# Altium PCB board.PcbDoc
Units mm, origin at the board's own origin, x right, y up, seen from the top; angles counter-clockwise.
Board outline 60 x 35 mm, 2 copper layers (Top Layer, Bottom Layer), stack 1.66 mm thick; 31 components, 17 nets, 90 pads, 42 vias.
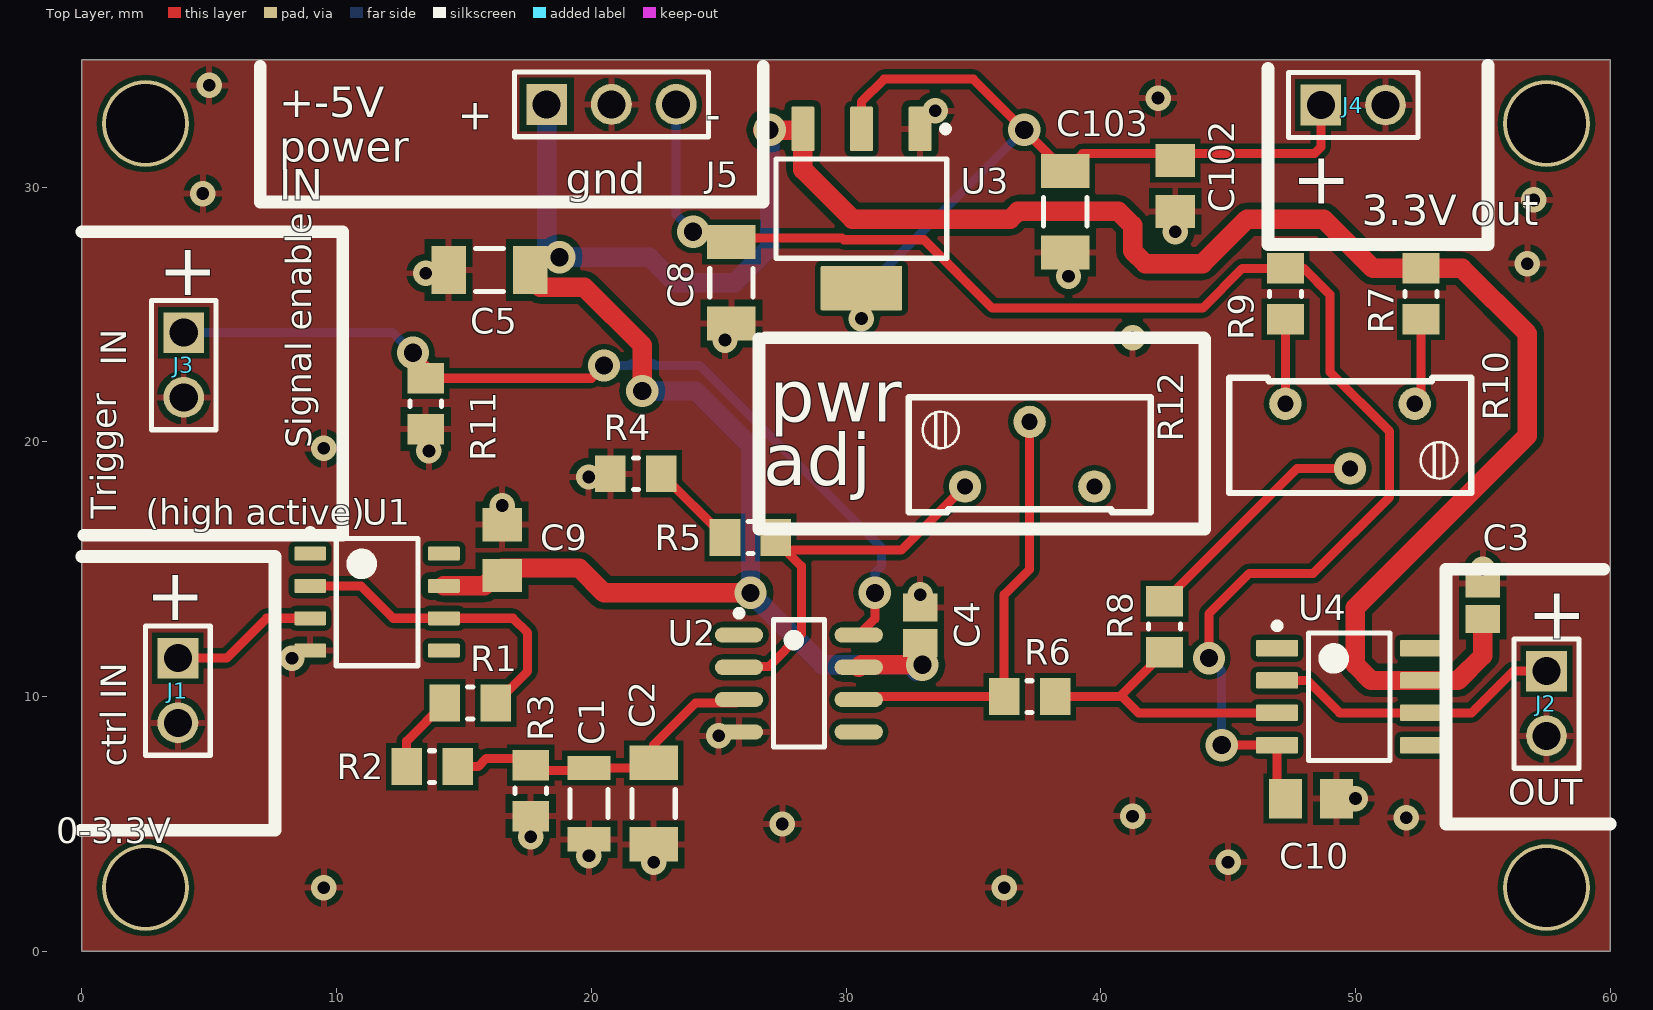
[diagram p0: Top Layer view]
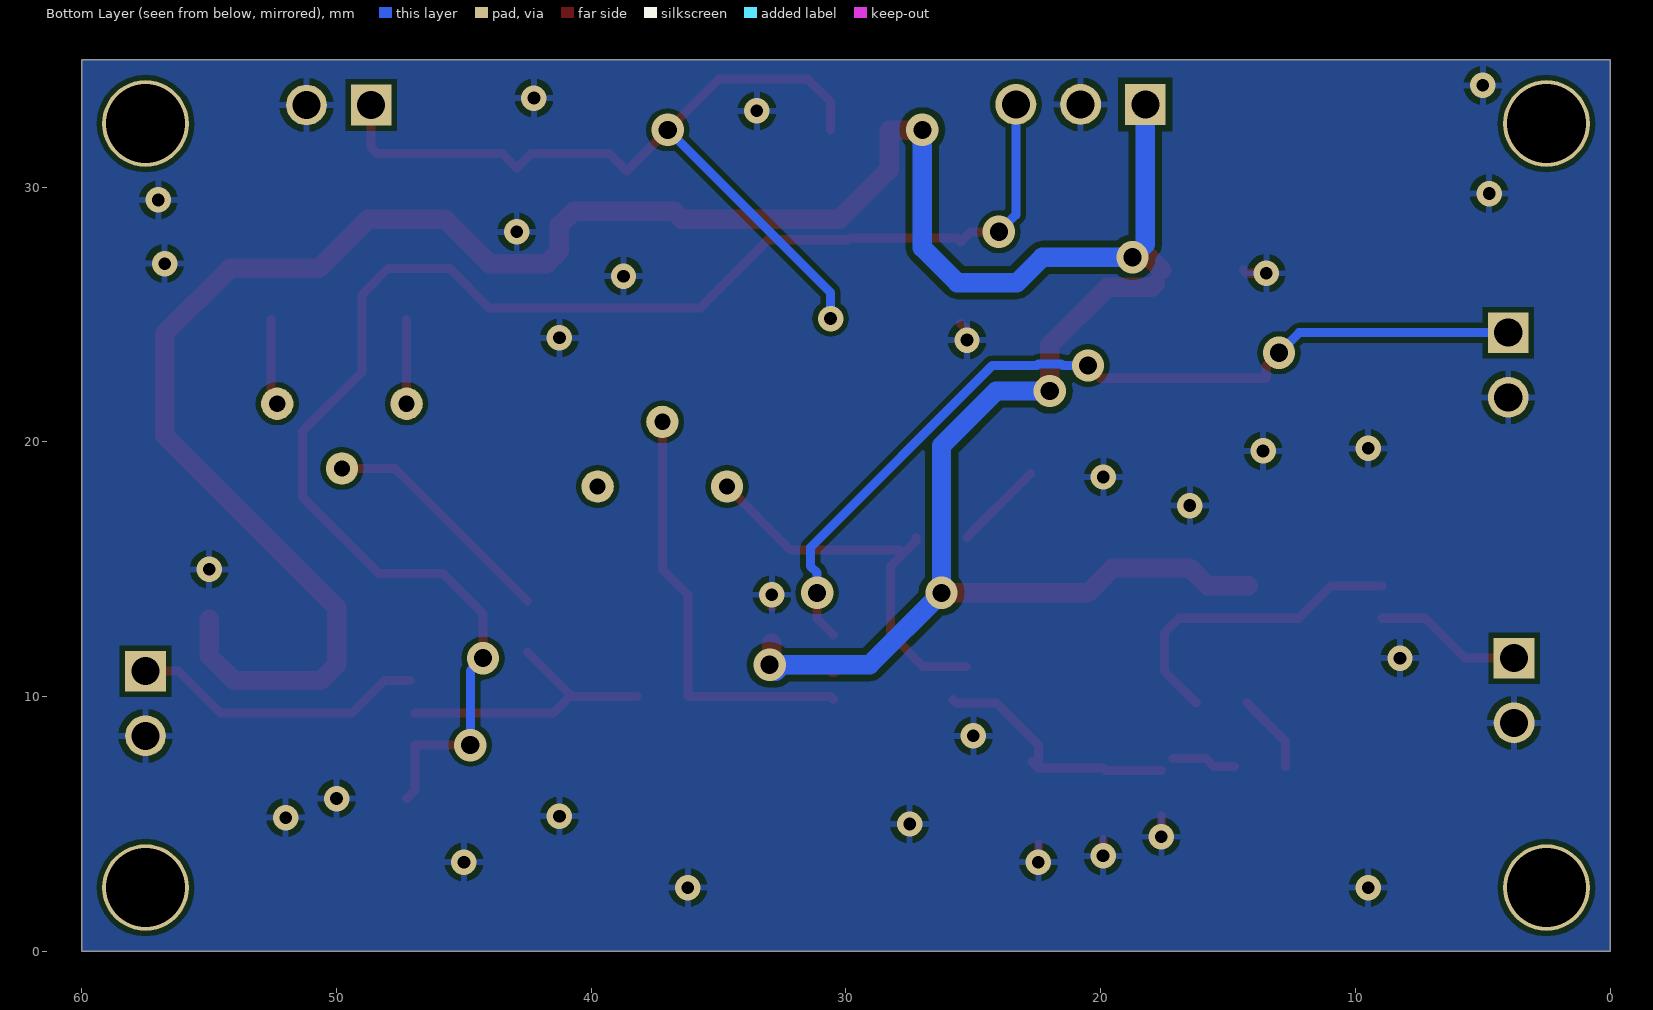
[diagram p1: Bottom Layer view, seen from below]
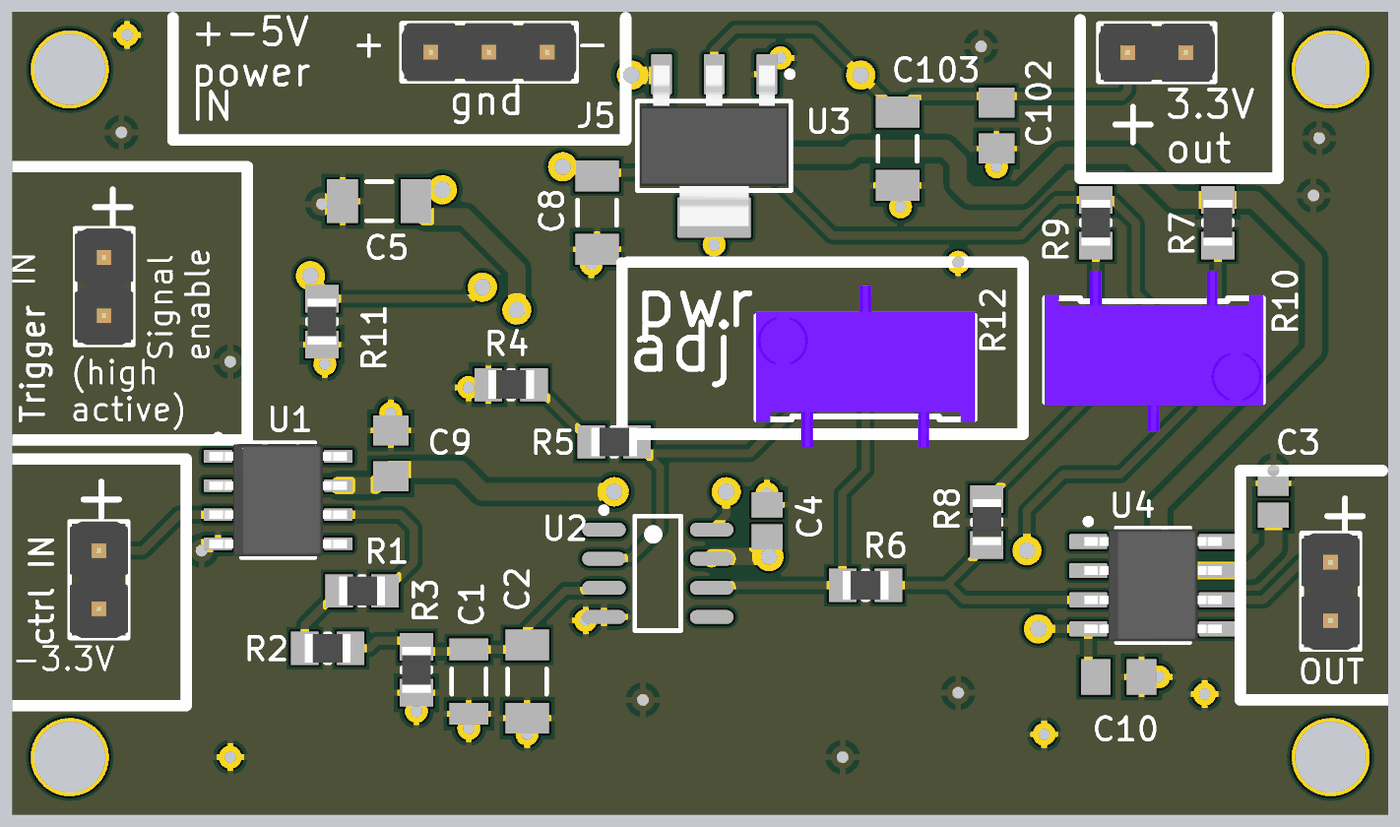
[diagram p2: 3D render of the assembled board from above, using the file's embedded part models]

## Layer stack, top to bottom
Top Solder: solder mask 0.0102, Solder Resist, Dk 3.5
Top Layer: signal copper 0.055
Dielectric1: dielectric 1.55, FR-4, Dk 4.8
Bottom Layer: signal copper 0.055
Bottom Solder: solder mask 0.0102, Solder Resist, Dk 3.5

## Board outline
0,0 60,0 60,35 0,35

## Design rules (kind name [scope] priority, off if disabled: settings)
Clearance ClearanceRoom [WithinRoom('less')  or WithinRoom('less1') or WithinRoom('less2') or WithinRoom('less3') or WithinRoom('less4')] p1: gap=0.203 ignorepadtopadclearanceinfootprint=FALSE except(0: Arc-Hole Track-Hole SMDPad-Hole THPad-Hole Via-Hole Fill-Hole Poly-Hole Region-Hole Text-Hole)
Clearance "clearance_24V class" [InNetClass('24V_net')] p2: gap=0.254 ignorepadtopadclearanceinfootprint=FALSE except(0: Arc-Hole Track-Hole SMDPad-Hole THPad-Hole Via-Hole Fill-Hole Poly-Hole Region-Hole Text-Hole)
Clearance Clearance_1 [All] p3: gap=0.203 ignorepadtopadclearanceinfootprint=FALSE except(0: Arc-Hole Track-Hole SMDPad-Hole THPad-Hole Via-Hole Fill-Hole Poly-Hole Region-Hole Text-Hole)
FabricationTestPointUsage TestPointUsage [All] p1: valid=0 allowmultiple=FALSE
FabricationTestpoint Testpoint [All] p1: side=3 testpointundercomponent=TRUE minsize=1.016 maxsize=2.54 preferedsize=1.524 minholesize=0 maxholesize=1.016 preferedholesize=0.813 testpointgrid=0.025 allowsidetop=TRUE allowsidebottom=TRUE usegrid=TRUE gridtolerance=0
HoleSize [All] p1: absolutevalues=TRUE maxlimit=6 minlimit=0.025 maxpercent=80.000 minpercent=20.000
PolygonConnect PolygonConnect_Power [(InNet('+5V') OR InNet('-24VBUS'))] p1: connectstyle=Relief reliefconductorwidth=2.54 reliefentries=4 polygonreliefangle="90 Angle" airgapwidth=0.254
PolygonConnect [All] p2: connectstyle=Relief reliefconductorwidth=0.254 reliefentries=4 polygonreliefangle="90 Angle" airgapwidth=0.254
RoutingVias [All] p1: holewidth=0.711 width=1.27 viastyle="Through Hole" minholewidth=0.711 minwidth=1.27 maxholewidth=0.711 maxwidth=1.27
SilkToSolderMaskClearance SilkscreenOverComponentPads [IsPad] p1: minsilkscreentomaskgap=0.254 clearancetoexposedcopper=TRUE
SolderMaskExpansion [All] p1: expansion=0.102
Width WidthRoom [WithinRoom('less')  or WithinRoom('less1') or WithinRoom('less2') or WithinRoom('less3') or WithinRoom('less4')] p1: maxlimit=0.356 minlimit=0.356 preferedwidth=0.356
Width "Width_24V class" [InNetClass('24V_net')] p2: maxlimit=0.762 minlimit=0.762 preferedwidth=0.762
Width Width_1 [All] p3: maxlimit=0.356 minlimit=0.356 preferedwidth=0.356
26 further rules are at their usual default settings.

## Classes and differential pairs
net class 24V_net: +5V

## Components (designator, comment, footprint, x,y, rotation, side; value= is the part's Value field where it differs from the comment)
C1 "100uF" CAPC1206(3216)190_L 19.908,5.799 r90 top
C2 "47uF" CAPC1206(3216)190_M 22.448,5.799 r90 top
C3 "0805 / 100n" CAPC2013X88X50LL20T25 55,13.75 r270 top
C4 "0805 / 100n" CAPC2013X88X50LL20T25 32.912,12.805 r270 top
C5 "47uF 6.3V 1206" CAPC1206(3216)190_M 16,26.75 r0 top value=47uF
C8 "47uF 6.3V 1206" CAPC1206(3216)190_M 25.5,26.25 r270 top value=47uF
C9 "100n" CAPC2013X88X50ML20T25 16.5,15.75 r270 top
C10 "100n" CAPC2013X88X50ML20T25 48.25,6 r0 top
C102 "100n" CAPC2013X88X50ML20T25 42.926,30.052 r90 top
C103 "47uF" CAPC1206(3216)190_M 38.608,29.036 r90 top
J1 "ctrl IN" 61300211121 3.77,11.51 r270 top
J2 "OUT" 61300211121 57.5,11 r270 top
J3 "Trigger" 61300211121 4,24.29 r270 top
J4 "potentiometer connect" 61300211121 48.641,33.227 r0 top
J5 "61300311121" 61300311121 18.25,33.25 r0 top
R1 "0" YAGO-RC0805_M 15.25,9.75 r180 top
R2 "9k" YAGO-RC0805_M 13.75,7.25 r0 top
R3 "1k" YAGO-RC0805_M 17.622,6.307 r90 top
R4 "1k" YAGO-RC0805_M 21.75,18.75 r180 top
R5 "1k" YAGO-RC0805_M 26.25,16.25 r180 top
R6 "1k" YAGO-RC0805_M 37.21,10 r180 top
R7 "1k" YAGO-RC0805_M 52.575,25.811 r90 top
R8 "0805 / 100k" YAGO-RC0805_M 42.5,12.75 r90 top
R9 "1k" YAGO-RC0805_M 47.25,25.811 r270 top
R10 "1kOhm" "Typ 3296Y" 47.25,21.5 r0 top
R11 "1k" YAGO-RC0805_M 13.5,21.5 r270 top
R12 "1kOhm" "Typ 3296Y" 39.75,18.25 r180 top
U1 "OPA350UA" D0008A_L 11.589,13.712 r0 top
U2 "AD8029ARZ" ADI-R-8_L 28.15,10.519 r0 top
U3 "LM1117IMP-3.3/NOPB" DCY0004A_N 30.607,29.163 r270 top
U4 "OPA227U" D0008A_M 49.75,10 r0 top

## Footprints (in the part's own frame and the unit in brackets; to place one, negate y for a bottom-side part, rotate by r counter-clockwise, add the part's x,y. Pads: shape width x height; smd on the part's side, far side on the other; paste and mask are expansions set on the pad)
61300211121 [mm] "2Pol; gerade; WR-PHD 2.54 mm THT Pin Header"
  rect 1.6x1.6 hole 1.1: 1(0,0)
  round 1.6 hole 1.1: 2(2.54,0)
  silkscreen extent -1.27,-1.27 3.81,1.27, body extent -1.27,-1.27 3.81,1.27, height 8.57
61300311121 [mm] "3Pol; gerade; WR-PHD 2.54 mm THT Pin Header"
  rect 1.6x1.6 hole 1.1: 1(0,0)
  round 1.6 hole 1.1: 2(2.54,0) 3(5.08,0)
  silkscreen extent -1.27,-1.27 6.35,1.27, body extent -1.27,-1.27 6.35,1.27, height 8.57
ADI-R-8_L [mm] "SOIC, 8-Leads, Body 4.9x3.9mm, Pitch 1.27mm, IPC High Density"
  oval 1.9x0.6 smd: 1(-2.35,1.905) 2(-2.35,0.635) 3(-2.35,-0.635) 4(-2.35,-1.905) 5(2.35,-1.905) 6(2.35,-0.635) 7(2.35,0.635) 8(2.35,1.905)
  silkscreen extent -2.47,-2.5 1,2.88, body extent -2,-2.5 2,2.5, height 1.75
CAPC1206(3216)190_L [mm] "Chip Capacitor, Body 3.2x1.6mm, Height 1.9mm, IPC High Density"
  rect 0.95x1.7 smd: 1(-1.4,0) 2(1.4,0)
  silkscreen extent -0.55,-0.75 0.55,0.75, body extent -1.7,-0.9 1.7,0.9, height 1.9
CAPC1206(3216)190_M [mm] "Chip Capacitor, Body 3.2x1.6mm, Height 1.9mm, IPC Low Density"
  rect 1.35x1.9 smd: 1(-1.6,0) 2(1.6,0)
  silkscreen extent -0.55,-0.85 0.55,0.85, body extent -1.7,-0.9 1.7,0.9, height 1.9
CAPC2013X88X50LL20T25 [mm] "Chip Capacitor, 2-Leads, Body 2.00x1.25mm, IPC High Density"
  rect 1.1x1.35 smd: 1(-0.7,0) 2(0.7,0)
  body extent -1.1,-0.72 1.1,0.72, height 0.88
CAPC2013X88X50ML20T25 [mm] "Chip Capacitor, 2-Leads, Body 2.00x1.25mm, IPC Low Density"
  rect 1.3x1.55 smd: 1(-1,0) 2(1,0)
  body extent -1.1,-0.72 1.1,0.72, height 0.88
D0008A_L [mm] "SOIC, 8-Leads, Body 5x4mm, Pitch 1.27mm, IPC High Density"
  rrect18% 1.25x0.55 smd: 1(-2.625,1.905) 2(-2.625,0.635) 3(-2.625,-0.635) 4(-2.625,-1.905) 5(2.625,-1.905) 6(2.625,-0.635) 7(2.625,0.635) 8(2.625,1.905)
  silkscreen extent -2.75,-2.5 1.6,2.85, body extent -3,-2.45 3,2.45, height 1.63
D0008A_M [mm] "SOIC, 8-Leads, Body 5x4mm, Pitch 1.27mm, IPC Low Density"
  rrect15% 1.65x0.65 smd: 1(-2.825,1.905) 2(-2.825,0.635) 3(-2.825,-0.635) 4(-2.825,-1.905) 5(2.825,-1.905) 6(2.825,-0.635) 7(2.825,0.635) 8(2.825,1.905)
  silkscreen extent -2.95,-2.5 1.6,2.9, body extent -3,-2.45 3,2.45, height 1.63
DCY0004A_N [mm] "SOT223, 4-Leads, Body 6.7x3.7mm, Pitch 2.3mm, IPC Medium Density"
  rrect11% 1.75x0.9 smd: 1(-3.125,2.3) 2(-3.125,0) 3(-3.125,-2.3)
  rrect6% 1.75x3.2 smd: 4(3.125,0)
  silkscreen extent -3.25,-3.35 1.95,3.43, body extent -3.5,-3.25 3.5,3.25, height 1.62
"Typ 3296Y" [mm] "Trimmer_stehend_rechteckig_Verstellung-von-Seite"
  round 1.27 hole 0.635: 1(0,0) 2(2.54,-2.54) 3(5.08,0)
  silkscreen extent -2.21,-3.51 7.29,1.02, body extent -2.24,-4.82 7.32,2.22, height 11.55
YAGO-RC0805_M [mm] "Chip Resistor, 2-Leads, Body 2.00x1.25mm, IPC Low Density"
  rect 1.2x1.45 smd: 1(-1,0) 2(1,0)
  silkscreen extent -0.1,-0.63 0.1,0.63, body extent -1,-0.62 1,0.63, height 0.6

## Part data
C1: library part CMP-00469-1, "CAP 100uF 6.3V ±20% 1206 (3216 Metric) Thickness 1.9mm SMD", Case-EIA=1206, Case-Metric=3216, Rated Voltage="6.3 V", Tolerance=±20%, Max Thickness="1.9 mm", Technology=SMT
C2 C5 C8 C103: library part CMP-00470-A.1, "CAP 47uF 6.3V ±20% 1206 (3216 Metric) Thickness 1.9mm SMD", Case-EIA=1206, Case-Metric=3216, Rated Voltage="6.3 V", Tolerance=±20%, Max Thickness="1.9 mm", Technology=SMT
C3 C4: library part CMP-001-0082-1, "generic_0805_example here 100nF: C0805C104K5RAC 7800 / SMD-Keramik-Vielschichtkondensator 100 nF, 50 VDC, 0805, ±10 %, X7R", Capacitance="0.1 uF", Capacitance - nF="100 nF", Capacitance - pF="100000 pF", Case Code - in=0805, Case Code - mm=2012, Dielectric=X7R, Manufacturer=KEMET, Manufacturer Part Number=C0805C104K5RAC7800, Maximum Operating Temperature="+ 125 C", Minimum Operating Temperature="- 55 C", Package/Case="0805 (2012 metric)", Supplier Part Number=80-C0805C104K5R7800, Tolerance="10 %", Voltage Rating AC=-, Voltage Rating DC="50 VDC", Brand=KEMET, Class="Class 1", ComponentLink1Description=KEM_C1002_X7R_SMD-1102033.pdf, ComponentLink1URL=http://www.mouser.com/ds/2/212/KEM_C1002_X7R_SMD-1102033.pdf, Height=-, Length="2 mm", Minimum Order Quantity=4000, Packaging=Reel, Product="General Type MLCCs", Reeling=True, RoHS - Mouser=Y, Series=C-C, Standard Pack Qty=4000, Supplier=Mouser, Termination=-, Termination Style=SMD/SMT, Width="1.2 mm"
C9 C10 C102: library part CMP-001-0082-2, "generic 0805 COG oder X7R Vielschichtkondensatoren max. +/-10%"
J1 J2 J3 J4: library part CMP-001-0071-1, "2Pol; gerade; WR-PHD 2.54 mm THT Pin Header", Current Rating="3 A", Flammability Rating="UL 94 V-0", Insulation Resistance="1 GOhms", Manufacturer="Wurth Electronics", Manufacturer Part Number=61300211121, Supplier Part Number=710-61300211121, Voltage Rating="250 V", Accessory Type=-, Application="Wire to Board", Brand="Wurth Electronics", ComponentLink1Description=6130xx11121-538006.pdf, ComponentLink1URL=http://www.mouser.com/ds/2/445/6130xx11121-538006.pdf, Contact Gender="Pin (Male)", Contact Material="Copper Alloy", Contact Plating=Gold, Contact Type=-, Housing Gender=-, Housing Material="Polybutylene Terephthalate (PBT)", Latching Type=Unlatched, Mating Post Length="6 mm", Minimum Order Quantity=1, Mounting Angle=Straight, Mounting Style="Straight Pin", Number of Positions="2 Position", Number of Rows="1 Row", Packaging=Bulk, PartNumber=61300211121, Pitch="2.54 mm", Product=Headers, Reeling=False, RoHS - Mouser=Y, Row Spacing=-, Series=WR-PHD, Standard Pack Qty=1000, Supplier=Mouser, Termination Post Length="3 mm", Termination Style="Through Hole", Type="Pin Strip"
J5: library part CMP-001-0072-1, "3Pol; gerade; WR-PHD 2.54 mm THT Pin Header", Current Rating="3 A", Flammability Rating="UL 94 V-0", Insulation Resistance="1 GOhms", Manufacturer="Wurth Electronics", Supplier Part Number=710-61300311121, Voltage Rating="250 V", Brand="Wurth Electronics", ComponentLink1Description=6130xx11121-538006.pdf, ComponentLink1URL=http://www.mouser.com/ds/2/445/6130xx11121-538006.pdf, Contact Gender="Pin (Male)", Contact Material="Copper Alloy", Contact Plating=Gold, Contact Type=-, Housing Gender=-, Housing Material="Polyamide (PA)", Manufacturer Part Number=61300311121, Mating Post Length="6 mm", Minimum Order Quantity=1, Mounting Angle=Straight, Mounting Style="Straight Pin", Number of Positions="3 Position", Number of Rows="1 Row", Packaging=Bulk, PartNumber=61300311121, Pitch="2.54 mm", Product=Headers, Reeling=False, RoHS - Mouser=Y, Row Spacing=-, Series=WR-PHD, Standard Pack Qty=1000, Supplier=Mouser, Termination Post Length="3 mm", Termination Style="Through Hole", Type="Pin Strip"
R1 R2 R3 R4 R5 R6 R7 R8 R9 R11: library part CMP-001-0027-2, "0805 Yageo Standard BlackBox Resistors", Manufacturer=Yageo, Operating Temperature="-55°C ~ 155°C", Package / Case="0805 (2012 Metric)", Power (Watts)="0.125W, 1/8W", Supplier Device Package=0805, Temperature Coefficient=±200ppm/°C, Tolerance=±1%, ComponentLink1Description=PYu-RC_Group_51_RoHS_L_7.pdf, ComponentLink1URL=http://www.yageo.com/documents/recent/PYu-RC_Group_51_RoHS_L_7.pdf, Composition="Thick Film", Failure Rate=-, Features="Moisture Resistant", Height - Seated (Max)="0.024\" (0.60mm)", Packaging=Digi-Reel®, Part Status=Active, Size / Dimension="0.079\" L x 0.049\" W (2.00mm x 1.25mm)"
R10 R12: library part CMP-001-0079-1, "Trimmer_stehend_rechteckig_Verstellung-von-Seite", Manufacturer=Bourns, Manufacturer Part Number=3296Y-1-102LF, Operating Temperature Range="- 55 C to + 150 C", Power Rating="500 mW (1/2 W)", Resistance="1 kOhms", Supplier Part Number=652-3296Y-1-102LF, Temperature Coefficient="100 PPM / C", Tolerance="10 %", Adjustment="Top Crossed", Brand=Bourns, ComponentLink1Description=296-776415.pdf, ComponentLink1URL=http://www.mouser.com/ds/2/54/296-776415.pdf, Element Type=Cermet, Length="9.53 mm", Minimum Order Quantity=1, Mounting="Panel Mount", Number of Turns=25, Packaging=Tube, PartNumber=3296Y-1-102LF, Product=Multiturn, Product Type="Square Trimming Potentiometer", Reeling=False, RoHS - Mouser=E, Series=3296, Standard Pack Qty=100, Supplier=Mouser, Taper=Linear, Termination Style=Pin, Tradename=Trimpot, Type=Trimmers, Width="9.53 mm"
U1: library part CMP-00488-1, "High-Speed, Single-Supply, Rail-to-Rail Operational Amplifier MicroAmplifier(TM) Series, 2.7 to 5.5 V, -40 to 85 degC, 8-pin SOIC (D8), Green (RoHS & no Sb/Br)", Manufacturer="Texas Instruments", Total Supply Voltage(Max)(+5V is 5, +/-5V is 10)=5.5, Total Supply Voltage(Min)(+5V is 5, +/-5V is 10)=2.7, CMRR(Min)(dB)=66, Code_JEDEC=MS-012, ComponentLink1Description="Manufacturer URL", ComponentLink1URL=http://www.ti.com/, ComponentLink2Description=Datasheet, ComponentLink2URL=http://www.ti.com/general/docs/lit/getliterature.tsp?genericPartNumber=OPA350&fileType=pdf, ComponentLink3Description="Package Specification", ComponentLink3URL=http://www.ti.com/litv/pdf/msoi002j, DatasheetVersion=SBOS099C, Eco-Plan="Green (RoHS & no Sb/Br)", IIB(Max)(pA)=10, Iq per channel(Max)(mA)=8.5, Mounting Technology="Surface Mount", Number of Channels=1, Offset Drift(Typ)(uV/C)=4, PackageDescription="8-Pin Plastic Small Outline, Body 4.9 x 3.9 mm, Pitch 1.27 mm", PackageReference=D0008A, PackageVersion="4040047-3/M, 06/2011", PartNumber=OPA350UA, Slew Rate(Typ)(V/us)=22, Sub Family="Low Input Bias Current Amp (<=10pA), Low Offset Voltage Amplifier (<=500uV), Low Supply Voltage Amplifier (<=2.7V), Precision Amplifier", Vio (25C)(Max)(mV)=1, Vn at 1kHz(Typ)(nV/rtHz)=18
U2: library part CMP-00480-1, "Single Channel RRIO Operational Amplifier, 125 MHz BW, 62 V/us SR, Industrial, 8-pin SOIC (R-8), Tube", Amplifiers Per Package=1, Generic Part Number=AD8029, Input Bias Current=700nA, Input Offset Voltage=1.6mV, Manufacturer="Analog Devices", Code_JEDEC=MS-012-AA, ComponentLink1Description="Manufacturer URL", ComponentLink1URL=http://www.analog.com/en/index.html, ComponentLink2Description=Datasheet, ComponentLink2URL=http://www.analog.com/static/imported-files/data_sheets/AD8029_8030_8040.pdf, ComponentLink3Description="Package Specification", ComponentLink3URL=http://www.analog.com/static/imported-files/packages/PKG_PDF/SOIC_Narrow%20(R)/R_8.pdf, DatasheetVersion="Rev. B", Iq/Amp=1.5mA, Mounting Technology="Surface Mount", PackageDescription="8-Pin Standard Small Outline Package, Body 3.9 x 4.9 mm, Pitch 1.27 mm", PackageReference=R-8, PackageVersion=060506-A, PartNumber=AD8029ARZ, Slew Rate=62V/us, Small Signal Bandwidth=125MHz, V Span Max=12V, V Span Min=2.7V
U3: library part CMP-00484-1, "800mA Low-Dropout Linear Regulator, 4-pin SOT-223, Pb-Free", Manufacturer="Texas Instruments", PackageTopMarking=XYTT*N05B, PowerWise=N, Code_IPC=SOT223-4, Code_JEDEC=TO-261-AA, ComponentLink1Description="Datasheet URL", ComponentLink1URL=http://www.ti.com/general/docs/lit/getliterature.tsp?genericPartNumber=LM1117-N&fileType=pdf, CompType="LDO IC", High-Reliability=Y, PackageDescription="Molded SOT-223, 6.50 x 3.56 x 1.6mm Body, 4 Lead, 2.3mm Pitch", PackageReference=DCY0004A, PartNumber=LM1117IMP-3.3/NOPB, PinCount=4, RoHS=Y
U4: library part CMP-00481-1, "High Precision, Low Noise Operational Amplifier, 5 to 36 V, -55 to 125 degC, 8-pin SOIC (D8), Green (RoHS & no Sb/Br)", Manufacturer="Texas Instruments", Rating=Catalog, Total Supply Voltage(Max)(+5V is 5, +/-5V is 10)=36, Total Supply Voltage(Min)(+5V is 5, +/-5V is 10)=5, CMRR(Min)(dB)=120, Code_JEDEC=MS-012, ComponentLink1Description="Manufacturer URL", ComponentLink1URL=http://www.ti.com/, ComponentLink2Description=Datasheet, ComponentLink2URL=http://www.ti.com/lit/ds/symlink/opa227.pdf, ComponentLink3Description="Package Specification", ComponentLink3URL=http://www.ti.com/litv/pdf/msoi002j, DatasheetVersion=SBOS110A, Eco-Plan="Green (RoHS & no Sb/Br)", GBW(Typ)(MHz)=8, IIB(Max)(pA)=10000, Iq per channel(Max)(mA)=3.8, Mounting Technology="Surface Mount", Number of Channels=1, Offset Drift(Typ)(uV/C)=0.1, PackageDescription="8-Pin Plastic Small Outline, Body 4.9 x 3.9 mm, Pitch 1.27 mm", PackageReference=D0008A, PackageVersion="4040047-3/M, 06/2011", Packing=TUBE, PartNumber=OPA227U, Slew Rate(Typ)(V/us)=2.3, Sub Family="High Supply Voltage Amplifier (>=30V), Low Noise Amp (<=10nV/rtHz), Low Offset Voltage Amplifier (<=500uV), Precision Amplifier", Vio (25C)(Max)(mV)=0.075

## Free pads (board coordinates)
  round 4.5 hole 4.5: 1(-100.05,57.6)
  round 3.4 hole 3.1: 1(2.5,2.5) 1(2.5,32.5) 1(57.5,2.5) 1(57.5,32.5)

## Via types
v1: diameter 1, hole 0.5, Top Layer to Bottom Layer, 30 vias
v2: diameter 1.27, hole 0.711, Top Layer to Bottom Layer, 12 vias

## Nets (pads, with @x,y where several pads share a name; then routed paths per layer and width w, separated by ;. In a path a pad name is that pad's centre, name@x,y a point inside that pad or via, vN(x,y) a via of type N, cw(c..) or ccw(c..) an arc to the next point about the centre after c; other vN are vias at no path point)
+5V: C3.2 C4.2 C5.2 C9.2 J5.1 R7.2 U1.7 U2.7 U3.3 U4.7 | length 123.3
  Top Layer w0.762: U1.7 15.797,14.347 16.5,15.05 19.525,15.05 20.5,14.075 v2(26.25,14.075) ; C5.2 18.1,27.25 v2(18.75,27.25) ; C5.2@17.85,26.215 18,26.065 19.735,26.065 22,23.8 v2(22,22) ; v2(27,32.25) 26.75,32.25 26.738,32.238 28.307,32.238 28.307,30.693 30.25,28.75 36.448,28.75 36.75,29.052 40.698,29.052 41.25,28.5 41.25,27.5 41.75,27 44,27 45.75,28.75 48.75,28.75 50.689,26.811 R7.2 54.189,26.811 56.75,24.25 56.75,20.25 50,13.5 50,11.25 50.615,10.635 U4.7 54.028,10.635 55,11.607 C3.2 ; U2.7 30.596,11.25 v2(33,11.25) 32.912,11.338 C4.2
  Bottom Layer w0.762: J5.1 18.25,27.75 v2(18.75,27.25) 22.288,27.25 23.288,26.25 25.627,26.25 27,27.623 v2(27,32.25) ; v2(22,22) 24.101,22 26.25,19.851 v2(26.25,14.075) 29.075,11.25 32.5,11.25 32.75,11 v2(33,11.25)
-5V: C8.1 C10.1 J5.3 R9.1 U4.4 | length 60.4
  Top Layer w0.356: v2(24,28.25) 25.1,28.25 C8.1 25.65,28 29.851,28 29.913,27.937 33.063,27.937 35.75,25.25 44,25.25 45.561,26.811 R9.1 47.977,26.811 49,25.788 49,22.75 51.337,20.413 51.337,17.837 48.337,14.837 45.837,14.837 44.25,13.25 v2(44.25,11.51) ; v2(44.75,8.095) U4.4 46.925,6.325 C10.1
  Bottom Layer w0.356: J5.3 23.33,28.92 v2(24,28.25) ; v2(44.25,11.51) 44.75,11.01 v2(44.75,8.095)
GND: C1.1 C2.1 C3.1 C4.1 C5.1 C8.2 C9.1 C10.2 C102.1 C103.1 J1.2 J2.2 J3.2 J4.2 J5.2 R3.1 R4.2 R11.2 U1.4 U2.4 U3.1 | length 4.4
  Top Layer w0.356: v1(13.5,26.623) 14.273,26.623 C5.1 ; v1(17.622,4.5) R3.1 ; v1(19.908,3.75) C1.1 ; v1(22.448,3.5) C2.1 ; v1(25.25,24) 25.25,24.4 C8.2 ; C4.1 v1(32.912,14)
  other v1: 9.5,2.5 36.21,2.5 45,3.5 27.5,5 52,5.25 41.25,5.307 50,6 25,8.46 8.25,11.51 55,15 16.5,17.5 19.896,18.623 13.627,19.646 9.5,19.75 41.25,24.086 38.735,26.507 56.75,27 42.926,28.25 57,29.5 4.75,29.75 33.5,33 42.25,33.5 5,34
NetC1_2: C1.2 C2.2 R2.2 R3.2 U2.3 | length 12.8
  Top Layer w0.356: R2.2 15.555,7.25 15.882,7.577 R3.2@17.152,7.577 ; R3.2@17.622,7.107 19.816,7.107 C1.2 22.448,7.199 C2.2@22.699,7.45 ; C2.2 22.448,8.105 24.099,9.757 24.25,9.757 ; 24.466,9.757 24.25,9.757 ; U2.3 25.673,9.757 24.25,9.757
NetC102_2: C102.2 C103.2 J4.1 U3.2 U3.4 | length 33.6
  Top Layer w0.356: U3.2@30.607,32.238 U3.2 30.607,33.354 31.496,34.243 35.001,34.243 C103.2 39.294,31.322 42.356,31.322 42.926,30.752 43.496,31.322 48.387,31.322 48.641,31.576 J4.1
  Bottom Layer w0.356: v1(30.607,24.845) 30.607,25.857 v2(37,32.25)
NetJ1_1: J1.1 U1.3 | length 5.8
  Top Layer w0.356: J1.1 5.683,11.51 7.25,13.077 U1.3
NetJ2_1: J2.1 U4.2 U4.6 | length 11.6
  Top Layer w0.356: U4.2@47.125,10.635 48.115,10.635 49.385,9.365 U4.6 54.566,9.365 56.201,11 J2.1
NetJ3_1: J3.1 R11.1 U2.8 | length 35.5
  Top Layer w0.356: v2(13,23.5) 13.5,23 R11.1 20,22.5 v2(20.5,23) ; U2.8 31.134,13.058 v2(31.134,14.075)
  Bottom Layer w0.356: J3.1 12.21,24.29 v2(13,23.5) ; v2(20.5,23) 21.491,23 21.558,23.067 22.442,23.067 22.509,23 24.25,23 31.398,15.852 31.398,15.123 31.134,14.859 v2(31.134,14.075)
NetR1_1: R1.1 U1.2 U1.6 | length 12.6
  Top Layer w0.356: U1.2 10.954,14.347 12.224,13.077 U1.6 16.923,13.077 17.5,12.5 17.5,11 R1.1
NetR1_2: R1.2 R2.1 | length 3.1
  Top Layer w0.356: R2.1 12.75,8.25 R1.2
NetR4_1: R4.1 R5.2 | length 3.5
  Top Layer w0.356: R4.1 R5.2
NetR5_1: R5.1 R12.3 U2.2 | length 15.5
  Top Layer w0.356: U2.2@25.292,11.192 26.981,11.192 28.25,12.461 28.25,15.125 27.25,16.125 R5.1 ; 27.909,15.75 32.17,15.75 R12.3
NetR6_1: R6.1 R8.1 U4.3 | length 11.5
  Top Layer w0.356: R6.1 40.75,10 ; R8.1 40.75,10 ; U4.3 41.48,9.365 40.845,10 40.75,10
NetR6_2: R6.2 R12.2 U2.6 | length 17
  Top Layer w0.356: U2.6 30.616,10 R6.2 36.21,14 37.21,15 R12.2
NetR7_1: R7.1 R10.3 | length 3.4
  Top Layer w0.356: R10.3 52.575,21.745 R7.1
NetR8_2: R8.2 R10.2 | length 9.4
  Top Layer w0.356: R8.2 47.71,18.96 R10.2
NetR9_2: R9.2 R10.1 | length 3.3
  Top Layer w0.356: R10.1 R9.2
pads on no net: R12.1 U1.1 U1.5 U1.8 U2.1 U2.5 U4.1 U4.5 U4.8

## Polygon pours and split planes (outlines as drawn)
GND on Top Layer "top gnd" (solid, remove dead copper, pour order 15): 0,0 60,0 60,35 0,35
GND on Bottom Layer "bottom gnd" (solid, remove dead copper, pour order 16): 0,0 60,0 60,35 0,35

## Silkscreen, mask and mechanical layers (free items; w line width, h text height)
Top Overlay:
  lines w0.5: -0.04,4.75 7.58,4.75 7.58,15.5 0,15.5 ; 0,28.25 10.247,28.25 10.247,18.876 10.247,16.336 0.087,16.336 ; 7,34.75 7,29.417 26.75,29.417 26.75,34.75 ; 26.58,16.586 26.58,24.05 ; 26.837,16.586 44.08,16.586 44.08,24.05 44.044,24.086 26.837,24.086 ; 46.569,34.659 46.569,27.75 55.205,27.75 55.205,34.786 ; 59.75,15 53.554,15 53.554,5 60,5
  text "+-5V" at 7.75,32.75 h1.2
  text "+" at 14.75,32.25 h1.2
  text "-" at 24.5,32.25 h1.2
  text "power" at 7.75,31 h1.2
  text "gnd" at 19,29.75 h1.2
  text "IN" at 7.75,29.5 h1.2
  text "+" at 47.498,29.352 h2.03
  text "3.3V out" at 50.25,28.5 h1.2
  text "+" at 3,25.75 h2.03
  text "IN" at 1.75,23 h1 r90
  text "pwr" at 27,20.79 h2.03
  text "Signal enable" at 9,19.75 h1 r90
  text "adj" at 26.75,18.29 h2.03
  text "(high active)" at 2.5,16.75 h1
  text "+" at 2.5,13 h2.03
  text "+" at 56.75,12.27 h2.03
  text "0-3.3V" at -1,4.25 h1
M1_BoardOutline:
  the board outline again, w0.127
M12_titleBlock:
  lines w0.127: -54.434,-15.782 -49.354,-15.782 ; -54.434,32.478 -49.354,32.478 ; -54.434,80.738 -49.354,80.738 ; 18.591,-64.042 18.591,-58.962 ; 18.591,123.918 18.591,128.998 ; 91.616,-64.042 91.616,-58.962 ; 91.616,123.918 91.616,128.998 ; 118.286,-58.962 82.726,-58.962 82.726,-28.482 118.286,-28.482 ; 119.023,-51.342 232.586,-51.342 ; 119.023,-43.722 232.586,-43.722 ; 119.023,-36.102 156.386,-36.102 ; 156.386,-58.962 156.386,-43.722 156.386,-28.482 ; 164.641,-64.042 164.641,-58.962 ; 164.641,123.918 164.641,128.998 ; 209.726,-58.962 209.726,-43.722 ; 232.586,-15.782 237.666,-15.782 ; 232.586,32.478 237.666,32.478 ; 232.586,80.738 237.666,80.738 ; 156.386,-28.482 119.023,-28.482 119.023,-58.962 232.586,-58.962 ; 156.386,-28.482 232.586,-28.482 232.586,-58.962 ; 232.586,-58.962 -49.354,-58.962 -49.354,123.918 232.586,123.918 232.586,-58.962 ; -54.434,-64.042 237.666,-64.042 237.666,128.998 -54.434,128.998 -54.434,-64.042
  text "1" at -18.188,125.569 h1.78
  text "2" at 54.456,125.569 h1.78
  text "3" at 127.608,125.569 h1.78
  text "4" at 200.506,125.569 h1.78
  text "A" at -52.529,102.556 h1.78
  text "A" at 234.491,102.556 h1.78
  text "B" at -52.529,54.499 h1.78
  text "B" at 234.491,54.499 h1.78
  text "C" at -52.529,5.985 h1.78
  text "C" at 234.491,5.985 h1.78
  text "ENGINEER:" at 119.556,-31.022 h1.14
  text "TITLE:" at 157.656,-31.022 h1.14
  text "PCB DESIGNER:" at 119.556,-38.515 h1.14
  text "D" at -52.529,-42.021 h1.78
  text "D" at 234.491,-42.021 h1.78
  text "EMBL - European" at 77.748,-44.688 h1.78
  text "DATE:" at 119.556,-46.262 h1.14
  text "PART NO.:" at 157.656,-46.262 h1.14
  text "REV:" at 210.996,-46.262 h1.14
  text "Molecular Biology Laboratory" at 84.098,-47.228 h1.78
  text "Meyerhofstrasse 1" at 84.098,-49.133 h1.78
  text ".Print_Date" at 120.826,-49.31 h1.78
  text "69117 Heidelberg" at 84.098,-52.308 h1.78
  text "FILE NAME:" at 119.556,-53.882 h1.14
  text "DWG NO:" at 157.656,-53.882 h1.14
  text "SCALE:" at 210.996,-53.882 h1.14
  text "Germany" at 84.098,-55.165 h1.78
  text ".PCB_FILE_NAME_NO_PATH" at 120.826,-56.93 h1.78
  text "1" at -18.188,-62.391 h1.78
  text "2" at 54.456,-62.391 h1.78
  text "3" at 127.608,-62.391 h1.78
  text "4" at 200.506,-62.391 h1.78